# Altium PCB BusAdaptor.PcbDoc
Units mm, origin at the board's own origin, x right, y up, seen from the top; angles counter-clockwise.
Board outline 50.93 x 30 mm, 4 copper layers (Top Layer, GND, POWER, Bottom Layer), stack 0.603 mm thick; 144 components, 103 nets, 555 pads, 10 vias.
Unrouted connection lines stored in the file: 359.
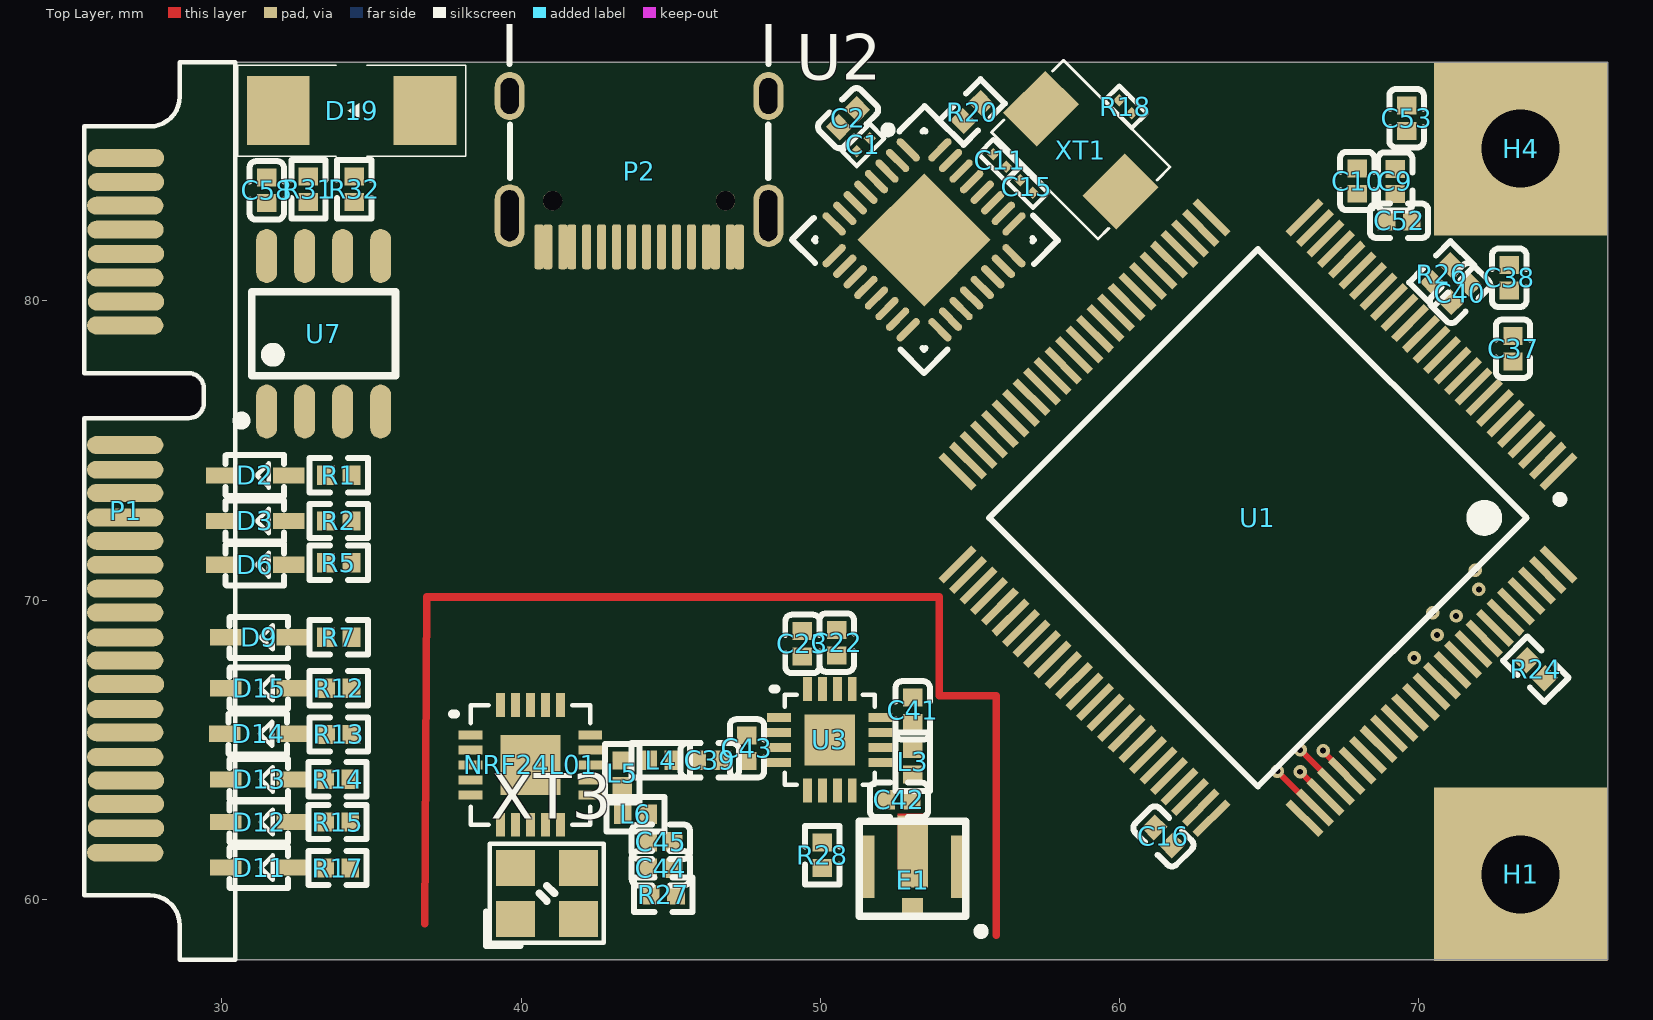
[diagram p0: Top Layer view]
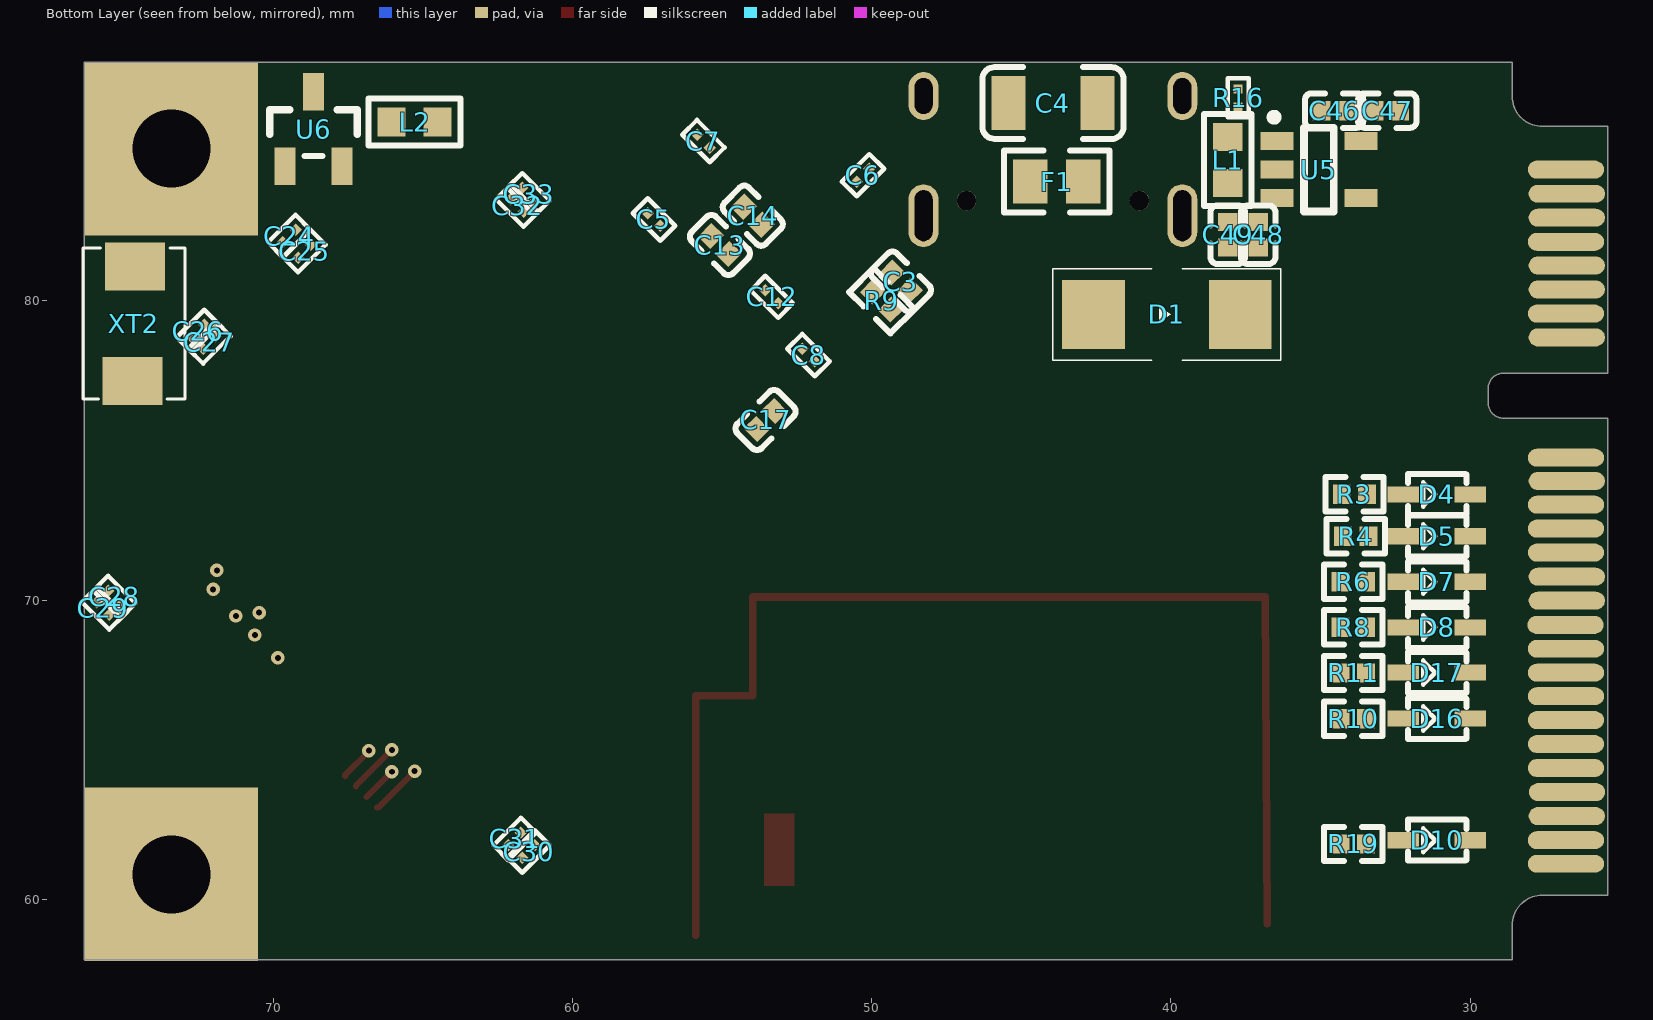
[diagram p1: Bottom Layer view, seen from below]
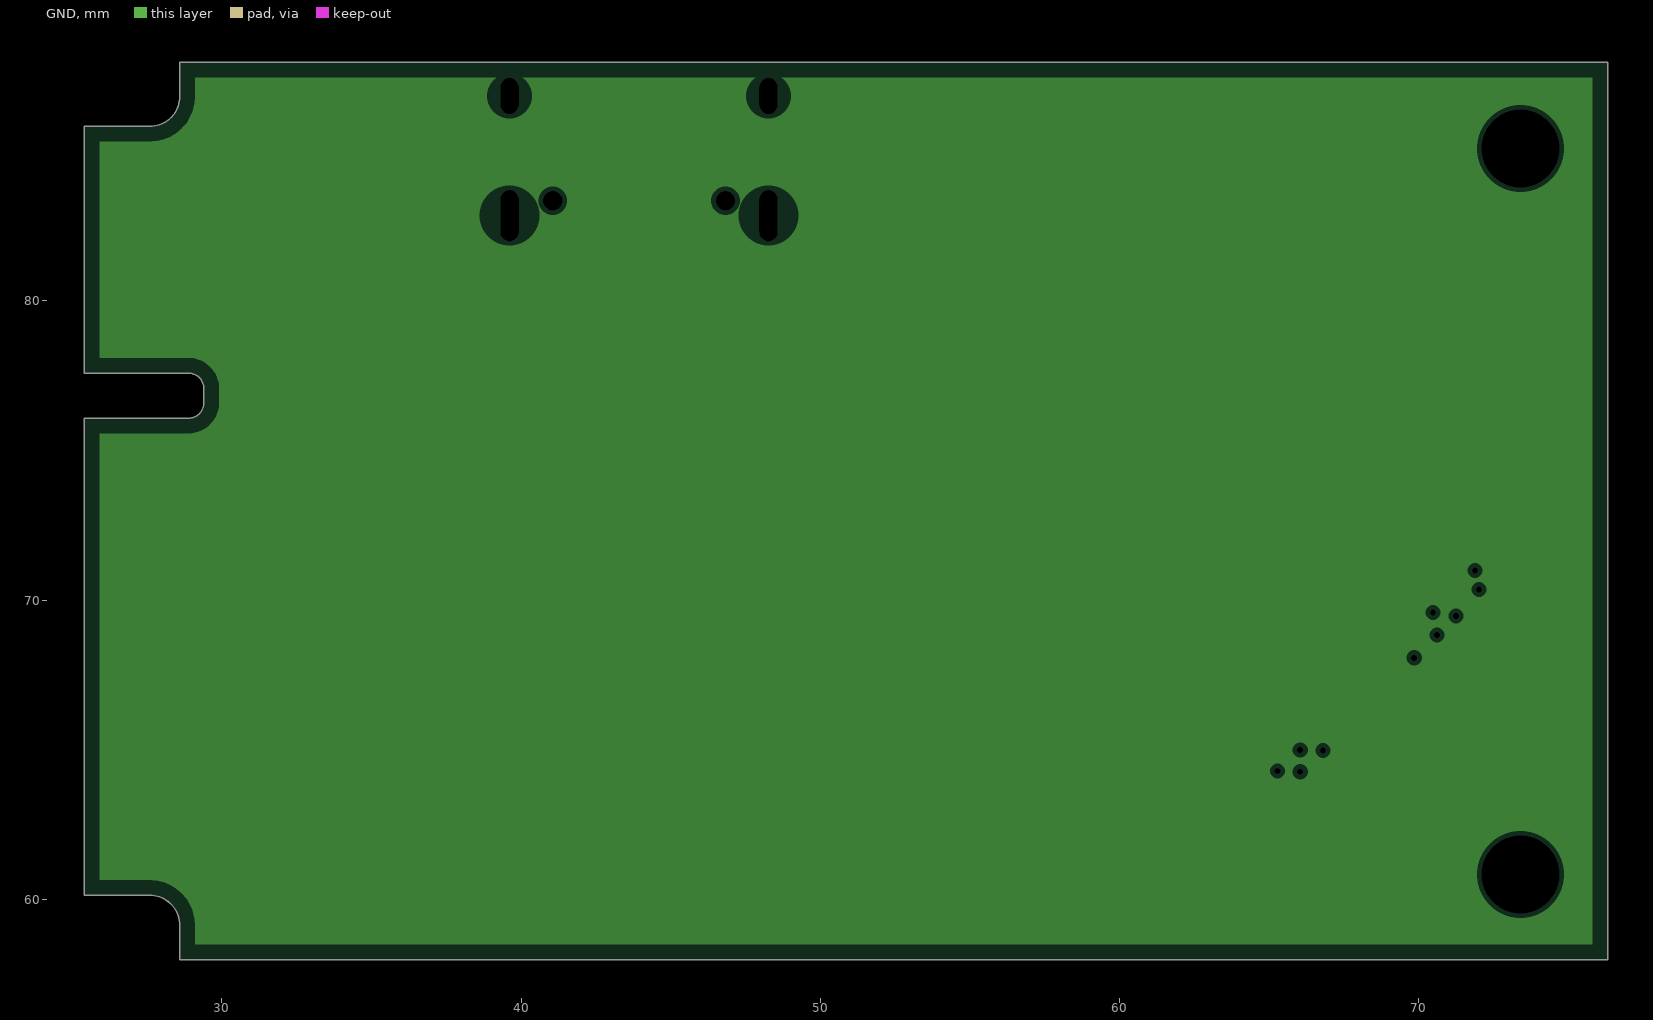
[diagram p2: GND, clearances drawn from the general rule]
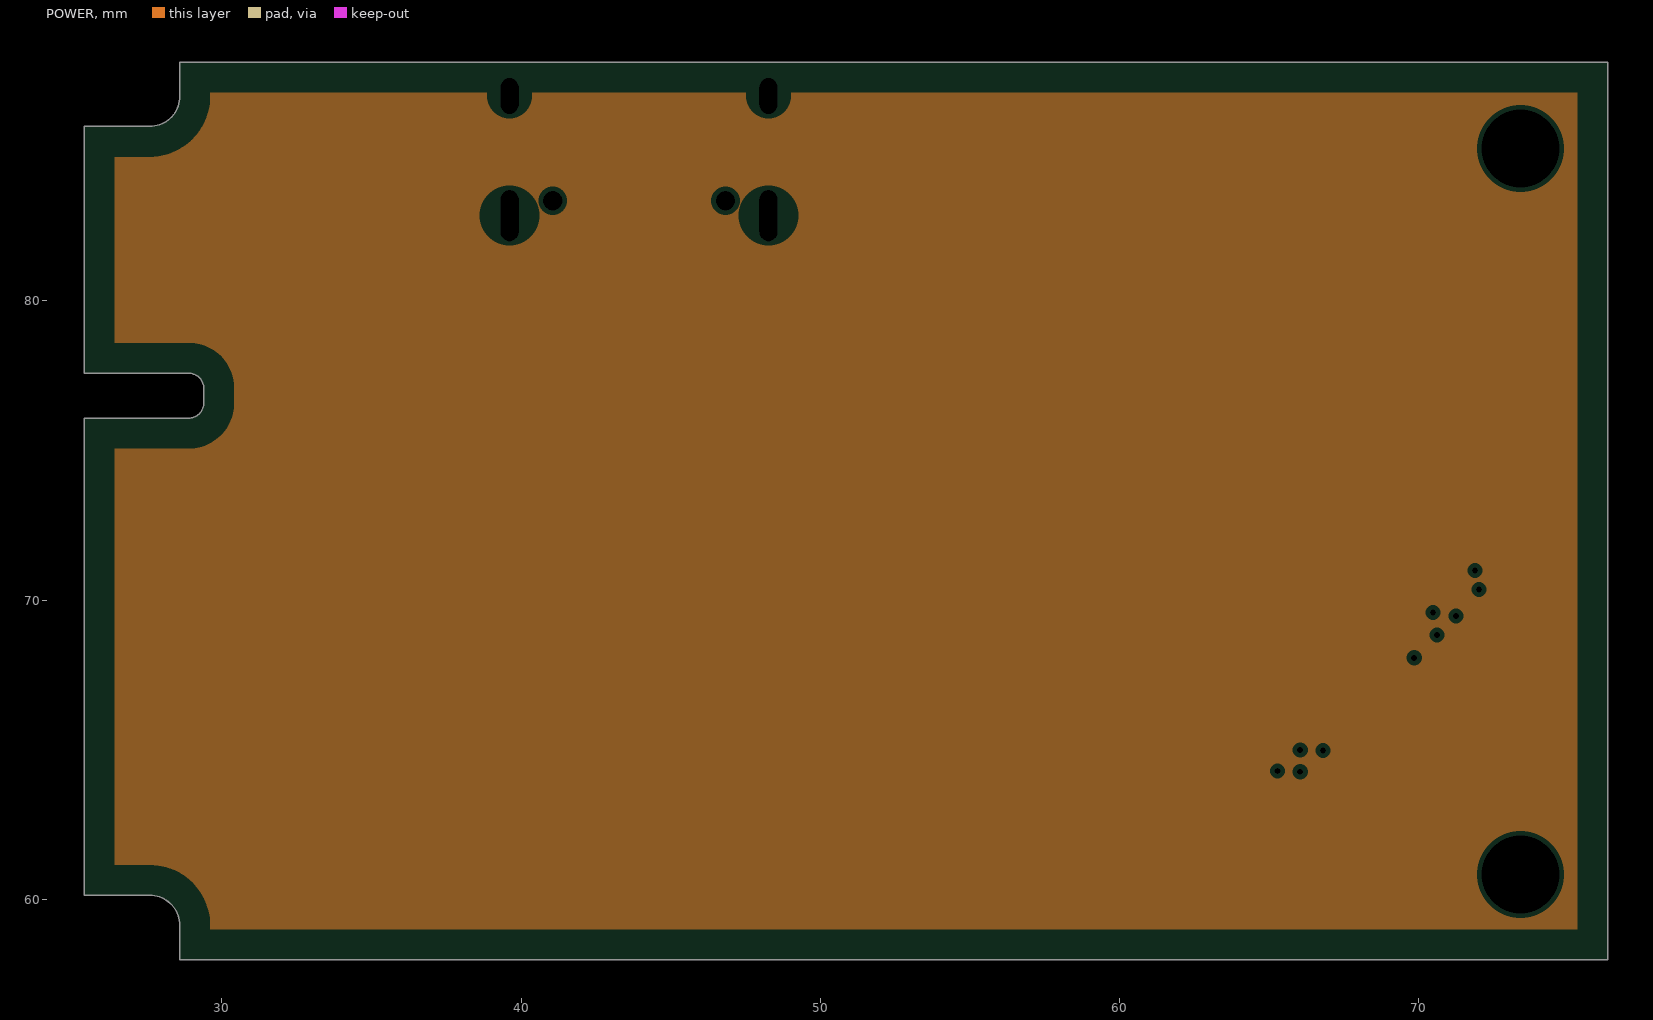
[diagram p3: POWER, clearances drawn from the general rule]

## Layer stack, top to bottom
Top Solder: solder mask 0.0102, Solder Resist, Dk 3.5
Top Layer: signal copper 0.0356
Dielectric 2: prepreg 0.0711, PP-006, Dk 4.1
GND: plane copper 0.035, net GND
Dielectric 1: dielectric 0.32, FR-4, Dk 4.8
POWER: plane copper 0.035, net 3.3V
Dielectric 3: prepreg 0.0711, PP-006, Dk 4.1
Bottom Layer: signal copper 0.0356
Bottom Solder: solder mask 0.0102, Solder Resist, Dk 3.5

## Board outline
25.393,60.133 27.593,60.133 cw(c27.593,59.133) 28.593,59.133 28.593,57.979 76.325,57.979 76.325,87.983 28.593,87.983 28.593,86.833 cw(c27.593,86.833) 27.593,85.833 25.393,85.833 25.393,77.583 28.893,77.583 cw(c28.893,77.083) 29.393,77.083 29.393,76.583 cw(c28.893,76.583) 28.893,76.083 25.393,76.083

## Design rules (kind name [scope] priority, off if disabled: settings)
Clearance [All] p1: gap=0.152 ignorepadtopadclearanceinfootprint=TRUE except(0: Arc-Hole Track-Hole SMDPad-Hole THPad-Hole Via-Hole Fill-Hole Poly-Hole Region-Hole Text-Hole)
ComponentClearance [All] p1: gap=0 collisioncheckmode=3 verticalgap=0 showdistances=FALSE
DiffPairsRouting [All] p1: maxlimit=0.254 minlimit=0.254 mostfreqgap=0.254 toplayer_minwidth=0.381 toplayer_maxwidth=0.381 toplayer_prefwidth=0.381 bottomlayer_minwidth=0.381 bottomlayer_maxwidth=0.381 bottomlayer_prefwidth=0.381 maxuncoupledlength=12.7
HoleSize [All] p1: absolutevalues=TRUE maxlimit=3 minlimit=0.25 maxpercent=80.000 minpercent=20.000
MinimumSolderMaskSliver [All] p1: minsoldermaskwidth=0
PlaneClearance [All] p1: clearance=0.152
PlaneConnect [All] p1: planeconnectstyle=Direct reliefexpansion=0.508 reliefentries=4 reliefconductorwidth=0.254 reliefairgap=0.254
PolygonConnect [All] p1: connectstyle=Direct reliefconductorwidth=0.254 reliefentries=4 polygonreliefangle="90 Angle" airgapwidth=0.254
RoutingVias [All] p1: holewidth=0.2 width=0.45 viastyle="Through Hole" minholewidth=0.2 minwidth=0.45 maxholewidth=0.2 maxwidth=0.45
SilkToSilkClearance [All] p1: silktosilkclearance=0
SilkToSolderMaskClearance [IsPad] p1: minsilkscreentomaskgap=0 clearancetoexposedcopper=TRUE
SolderMaskExpansion [All] p1: expansion=0.102
Width Width_1 [All] p1: maxlimit=0.254 minlimit=0.203 preferedwidth=0.203 minimp=50.000000 maximp=50.000000 favimp=50.000000
Width Width_Power [InNetClass('POWER')] p2: maxlimit=1.27 minlimit=0.508 preferedwidth=0.508
22 further rules are at their usual default settings.

## Classes and differential pairs
net class POWER: 3.3V 3.3VA 3.3VPA 3.3VREF 3.3VRF 5V GND
differential pair USB: +USB_P -USB_N

## Components (designator, comment, footprint, x,y, rotation, side; value= is the part's Value field where it differs from the comment)
Buzzer1 "Buzzer_8530" BUZZER_8530 115.545,70.831 r0 top
C1 "0.1uF" 0201 51.435,85.217 r45 top
C2 "10uF" 0402_C#1 50.927,86.106 r45 top
C3 "10uF" 0402_C#1 49.022,80.645 r225 bottom
C4 "1000pF/2KV" 1206_C 43.942,86.614 r180 bottom
C5 "0.1uF" 0201 57.277,82.724 r225 bottom
C6 "0.1uF" 0201 50.292,84.201 r315 bottom
C7 "0.1uF" 0201 55.626,85.339 r225 bottom
C8 "0.1uF" 0201 52.112,78.189 r45 bottom
C9 "10uF" 0402_C#1 69.215,83.991 r90 top
C10 "10uF" 0402_C#1 67.945,84.007 r90 top
C11 "15pF" 0201 55.998,84.694 r315 top
C12 "0.1uF" 0201 53.34,80.137 r225 bottom
C13 "4.7uF" 0402_C#1 55.071,81.868 r45 bottom
C14 "4.7uF" 0402_C#1 53.975,82.848 r45 bottom
C15 "15pF" 0201 56.896,83.82 r135 top
C16 "2.2uF" 0402_C#1 61.468,62.103 r135 top
C17 "2.2uF" 0402_C#1 53.547,76.02 r315 bottom
C18 "33nF" 0402_C#1 44.192,40.088 r90 top
C19 "22uF" 0603_C 37.054,33.263 r0 top
C20 "2.2uF" 0402_C#1 36.094,35.736 r90 top
C21 "0.1uF" 0402_C#1 34.236,35.736 r90 top
C22 "10nF" 0402_C#1 50.546,68.58 r270 top
C23 "220pF" 0402_C#1 49.403,68.536 r270 top
C24 "1uF" 0201 69.469,82.169 r315 bottom
C25 "0.1uF" 0201 68.961,81.661 r315 bottom
C26 "1uF" 0201 72.517,78.994 r135 bottom
C27 "1uF" 0201 72.136,78.613 r135 bottom
C28 "0.1uF" 0201 75.311,70.104 r45 bottom
C29 "1uF" 0201 75.692,69.723 r45 bottom
C30 "0.1uF" 0201 61.468,61.595 r315 bottom
C31 "1uF" 0201 61.934,62.018 r315 bottom
C32 "0.1uF" 0201 61.849,83.185 r225 bottom
C33 "0.1uF" 0201 61.468,83.566 r225 bottom
C34 "10nF" 0402_C#1 39.81,35.736 r90 top
C35 "1nF" 0402_C#1 49.911,45.72 r90 top
C36 "10uF" 0402_C#1 101.515,35.043 r90 top
C37 "15pF" 0402_C#1 73.152,78.403 r270 top
C38 "15pF" 0402_C#1 73.025,80.772 r270 top
C39 "1.5pF" 0402_C#1 46.304,64.644 r180 top
C40 "10uF" 0402_C#1 71.374,80.264 r225 top
C41 "1.0pF" 0402_C#1 53.086,66.314 r270 top
C42 "1.0pF" 0402_C#1 52.629,63.323 r0 top
C43 "1pF" 0402_C#1 47.549,65.044 r270 top
C44 "2.2nF" 0402_C#1 44.672,61.037 r180 top
C45 "4.7pF" 0402_C#1 44.672,61.926 r180 top
C46 "10uF" 0402_C#1 34.544,86.36 r180 bottom
C47 "0.1uF" 0402_C#1 32.766,86.36 r0 bottom
C48 "0.1uF" 0402_C#1 37.084,82.213 r90 bottom
C49 "10uF" 0402_C#1 38.1,82.213 r90 bottom
C50 "22pF" 0402_C#2 0.675,105.874 r270 top
C51 "22pF" 0402_C#1 5.207,105.791 r90 top
C52 "0.1uF" 0402_C#1 69.342,82.677 r180 top
C53 "10uF" 0402_C#1 69.596,86.106 r270 top
C54 "100nF" 0402_C#1 113.87,112.615 r90 top
C55 "100nF" 0201 115.728,112.615 r90 top
C56 "100nF" 0201 112.012,112.615 r90 top
C57 "47uF" 0805_C 27.462,138.717 r0 top
C58 "47nF" 0402_C#1 31.496,83.693 r90 top
C59 "100nF" 0201 110.154,112.615 r90 top
C60 "100nF" 0201 123.16,112.615 r90 top
C61 "100nF" 0201 125.018,112.615 r90 top
D1 "SMBJ5A" SMB 40.132,79.549 r180 bottom
D2 "BV03CW" SOD323 31.115,74.168 r180 top
D3 "BV03CW" SOD323 31.115,72.644 r180 top
D4 "BV03CW" SOD323 31.115,73.533 r180 bottom
D5 "BV03CW" SOD323 31.115,72.136 r180 bottom
D6 "BV03CW" SOD323 31.115,71.182 r180 top
D7 "BV03CW" SOD323 31.115,70.612 r180 bottom
D8 "BV03CW" SOD323 31.115,69.088 r180 bottom
D9 "BV03CW" SOD323 31.242,68.757 r180 top
D10 "BV03CW" SOD323 31.115,61.975 r180 bottom
D11 "BV03CW" SOD323 31.242,61.059 r180 top
D12 "BV03CW" SOD323 31.242,62.583 r180 top
D13 "BV03CW" SOD323 31.242,64.008 r180 top
D14 "BV03CW" SOD323 31.217,65.532 r180 top
D15 "BV03CW" SOD323 31.242,67.056 r180 top
D16 "BV03CW" SOD323 31.115,66.04 r180 bottom
D17 "BV03CW" SOD323 31.115,67.575 r180 bottom
D18 "SM4001PL" SOD-123FL 98.007,34.993 r0 top
D19 "SMBJ3.3A" SMB 34.334,86.36 r180 top
D20 "LED" 0603_L 20.32,86.995 r90 top
E1 "Antenna" IPEX 53.086,61.087 r180 top
F1 "500mA" 0805_R 43.815,83.989 r0 bottom
H1 "Φ2.6" HOLD 73.406,60.833 r0 top
H2 "T" TESTPOINT 75.235,111.481 r0 top
H3 "T" TESTPOINT 79.553,111.481 r0 top
H4 "Φ2.6" HOLD 73.406,85.09 r0 top
H5 "T" TESTPOINT 59.36,111.481 r0 top
H6 "T" TESTPOINT 63.678,111.481 r0 top
L1 "120R@100M" 0603_L 38.1,84.709 r90 bottom
L2 "1K@100MHz" 0603_L 65.278,85.979 r180 bottom
L3 "3.9nH" 0402_L 53.086,64.6 r270 top
L4 "3.9nH" 0402_L 44.672,64.644 r0 top
L5 "8.2nH" 0402_L 43.383,64.212 r90 top
L6 "2.7nH" 0402_L 43.822,62.839 r180 top
LED1 "RGB-1.6x1.6" RGB-1.6X1.6 110.441,44.263 r90 top
NRF24L01 "NRF24L01" QFN-20_4X4X05P 40.31,64.492 r0 top
P1 "MINI_PCIE" MINIPCIE 26.797,84.775 r270 top
P2 "TYPE_C" TYPE-C-TOP 43.942,84.328 r90 top
R1 "0R" 0402_R 33.909,74.168 r0 top
R2 "0R" 0402_R 33.909,72.644 r0 top
R3 "0R" 0402_R 33.865,73.533 r180 bottom
R4 "0R" 0402_R 33.826,72.136 r180 bottom
R5 "0R" 0402_R 33.909,71.247 r0 top
R6 "0R" 0402_R 33.909,70.612 r180 bottom
R7 "0R" 0402_R 33.909,68.757 r0 top
R8 "0R" 0402_R 33.909,69.088 r180 bottom
R9 "4.7K" 0402_R 49.657,80.01 r225 bottom
R10 "0R" 0402_R 33.909,66.04 r180 bottom
R11 "0R" 0402_R 33.909,67.564 r0 bottom
R12 "0R" 0402_R 33.909,67.056 r0 top
R13 "0R" 0402_R 33.909,65.508 r0 top
R14 "0R" 0402_R 33.865,64.008 r0 top
R15 "0R" 0402_R 33.865,62.583 r0 top
R16 "1M" 0201 37.75,86.788 r90 bottom
R17 "0R" 0402_R 33.865,61.046 r0 top
R18 "1M" 0201 60.198,86.487 r135 top
R19 "0R" 0402_R 33.909,61.849 r0 bottom
R20 "12K 1%" 0402_R 55.071,86.313 r225 top
R21 "22K 1%" 0402_R 50.958,35.736 r90 top
R22 "22K 1%" 0402_R 49.1,35.736 r90 top
R23 "510R" 0402_R 105.231,35.043 r90 top
R24 "10K" 0402_R 73.914,67.691 r135 top
R25 "10K" 0402_R 103.373,35.043 r90 top
R26 "10K" 0402_R 70.777,80.899 r225 top
R27 "1K" 0402_R 44.755,60.148 r180 top
R28 "1K" 0402_R 50.067,61.468 r90 top
R29 "1K" 0402_R 18.542,86.848 r90 top
R30 "0R" 0201 121.302,112.615 r90 top
R31 "60R" 0402_R 32.893,83.737 r90 top
R32 "60R" 0402_R 34.417,83.737 r90 top
T1 "S8050" SOT-23(SOT-23-3) 106.93,43.803 r0 top
U1 "STM32F407VGT6" TQFP-100 64.625,72.75 r225 top locked
U2 "HS USB PHY" QFN50P500X500X100-32N 53.467,82.042 r135 top
U3 "RFX2401C" RFX2401C 50.317,65.33 r0 top
U5 "SPX3819M5-L-3-3" SOT-23-5 35.052,84.389 r0 bottom
U6 "REF3033" SOT-23(SOT-23-3) 68.655,85.745 r270 bottom
U7 "SN65HVD230DR" SOIC-8_150mil 33.401,78.901 r0 top
U8 "MAX3232CSE" SOIC-16_150mil 45.097,104.648 r270 bottom
U9 "LP5907" SOT-23-5 24.511,133.35 r0 top
XT1 "24M" CRYSTAL-SMD-5032 60.029,83.693 r135 top
XT2 "8M" CRYSTAL-SMD-5032 74.676,77.343 r90 bottom
XT3 "16M" "OSC 3225-4P" 40.862,60.198 r0 top

## Footprints (in the part's own frame and the unit in brackets; to place one, negate y for a bottom-side part, rotate by r counter-clockwise, add the part's x,y. Pads: shape width x height; smd on the part's side, far side on the other; paste and mask are expansions set on the pad)
0201 [mm]
  rect 0.3x0.3 smd: 1(-0.3,0) 2(0.3,0)
  silkscreen extent -0.65,-0.35 0.65,0.35, body extent -0.3,-0.15 0.3,0.15, height 0.23
0402_C#1 [mm]
  rect 0.6x0.65 smd mask+0.051: 1(-0.425,0) 2(0.425,0)
  silkscreen extent -0.98,-0.58 0.98,0.58, body extent -0.48,-0.3 0.52,0.3, height 0.2
0402_C#2 [mm]
  rect 0.6x0.65 smd mask+0.051: 1(-0.425,3.81) 2(0.425,0)
  silkscreen extent -0.98,-0.58 0.98,0.58, body extent -0.48,-0.3 0.52,0.3, height 0.2
0402_L [mm]
  rect 0.6x0.65 smd mask+0.051: 1(-0.425,0) 2(0.425,0)
  silkscreen extent -0.98,-0.58 0.97,0.58, body extent -0.51,-0.26 0.54,0.26, height 0.36
0402_R [mm]
  rect 0.6x0.65 smd mask+0.051: 1(-0.425,0) 2(0.425,0)
  silkscreen extent -0.97,-0.58 0.97,0.58, body extent -0.57,-0.27 0.58,0.28, height 0.41
0603_C [mm]
  rect 0.93x0.98 smd: 1(-0.77,0) 2(0.77,0)
  silkscreen extent -1.53,-0.79 1.54,0.79, body extent -0.8,-0.4 0.8,0.4, height 0.3
0603_L [mm]
  rect 0.93x0.98 smd: 1(-0.77,0) 2(0.77,0)
  silkscreen extent -1.53,-0.79 1.54,0.79, body extent -0.82,-0.41 0.83,0.41, height 0.46
0805_C [mm]
  rect 1.16x1.47 smd: 1(-0.89,0) 2(0.89,0)
  silkscreen extent -1.77,-1.04 1.77,1.04, body extent -1,-0.62 1,0.63, height 0.77
0805_R [mm]
  rect 1.16x1.47 smd: 1(-0.89,0) 2(0.89,0)
  silkscreen extent -1.77,-1.04 1.77,1.03, body extent -1,-0.63 1,0.63, height 0.49
1206_C [mm]
  rect 1.13x1.8 smd: 1(-1.49,0) 2(1.49,0)
  silkscreen extent -2.36,-1.2 2.35,1.2, body extent -1.6,-0.81 1.6,0.79, height 1
BUZZER_8530 [mm]
  rect 2x2 smd: 1(3.242,-3.217) 2(3.251,3.26) ""(-3.277,-3.267) ""(-3.242,3.267)
  rect 1x1.6 smd: ""(-3.759,0.009) ""(3.759,0.009)
  silkscreen extent -4.24,-4.23 4.26,4.27, body extent -4.24,-4.23 4.26,4.27, height 0.25
CRYSTAL-SMD-5032 [mm]
  rect 1.6x2 smd: 1(-0.025,0.025) 2(3.81,-0.051)
  silkscreen extent -0.62,-1.73 4.42,1.68, body extent -0.62,-1.63 4.38,1.57, height 1.35
HOLD [mm]
  rect 5.8x5.8 hole 2.6: 11(0,0)
IPEX [mm]
  rect 1.016x2.413 smd: 1(0,-0.508)
  rect 0.5x2.1 smd: 2(-1.524,0) 2(1.524,0)
  rect 0.7x0.7 smd: 2(0,1.397)
  Top Layer region: -0.508,-1.778 0.508,-1.778 0.508,0.635 -0.508,0.635
  silkscreen extent -2.41,-1.52 1.78,2.29
MINIPCIE [mm]
  oval 0.6x2.55 smd: 1(0,0) 3(0.8,0) 5(1.593,-0.029) 7(2.395,-0.021) 9(3.2,0) 11(3.993,-0.029) 13(4.8,0) 15(5.593,-0.029) 17(9.593,-0.029) 19(10.418,-0.029) 21(11.193,-0.029) 23(12.018,-0.029) 25(12.793,-0.029) 27(13.593,-0.029) 29(14.393,-0.029) 31(15.193,-0.029) 33(16.018,-0.029) 35(16.793,-0.029) 37(17.586,0) 39(18.418,-0.029) 41(19.193,-0.029) 43(20.018,-0.029) 45(20.8,0) 47(21.586,0) 49(22.4,0) 51(23.218,-0.029)
  oval 0.6x2.55 smd far side: 2(0.386,0) 4(1.193,-0.029) 6(1.993,-0.029) 8(2.8,0) 10(3.593,-0.029) 12(4.393,-0.029) 14(5.2,0) 16(5.993,-0.029) 18(10.015,0) 20(10.793,-0.029) 22(11.586,0) 24(12.386,0) 26(13.186,0) 28(13.993,-0.029) 30(14.793,-0.029) 32(15.603,0.013) 34(16.4,0) 36(17.2,0) 38(17.986,0) 40(18.786,0) 42(19.586,0) 44(20.386,0) 46(21.191,-0.038) 48(21.993,-0.029) 50(22.8,0) 52(23.586,0)
  silkscreen extent -3.21,-1.4 26.8,3.65
"OSC 3225-4P" [mm] "3.2*2.5*0.7mm(长宽高)                         淘宝ID:黄晶宝石"
  rect 1.3x1.2 smd: 1(-1.05,-0.85) 2(1.05,-0.85) 3(1.05,0.85) 4(-1.05,0.85)
  silkscreen extent -2.03,-1.75 1.91,1.65, body extent -1.6,-1.25 1.6,1.25, height 0.7
QFN50P500X500X100-32N [mm]
  rect 3.15x3.15 smd: 0(0,0)
  oval 1x0.25 smd: 1(2.5,-1.75) 2(2.5,-1.25) 3(2.5,-0.75) 4(2.5,-0.25) 5(2.5,0.25) 6(2.5,0.75) 7(2.5,1.25) 8(2.5,1.75) 17(-2.5,1.75) 18(-2.5,1.25) 19(-2.5,0.75) 20(-2.5,0.25) 21(-2.5,-0.25) 22(-2.5,-0.75) 23(-2.5,-1.25) 24(-2.5,-1.75)
  oval 0.25x1 smd: 9(1.75,2.5) 10(1.25,2.5) 11(0.75,2.5) 12(0.25,2.5) 13(-0.25,2.5) 14(-0.75,2.5) 15(-1.25,2.5) 16(-1.75,2.5) 25(-1.75,-2.5) 26(-1.25,-2.5) 27(-0.75,-2.5) 28(-0.25,-2.5) 29(0.25,-2.5) 30(0.75,-2.5) 31(1.25,-2.5) 32(1.75,-2.5)
  silkscreen extent -3.18,-3.18 3.57,3.15, body extent -2.5,-2.51 2.52,2.51, height 0.8
QFN-20_4X4X05P [mm]
  rect 2x2 smd: 0(0,0)
  rect 0.8x0.3 smd: 1(-2,1) 2(-2,0.5) 3(-2,0) 4(-2,-0.5) 5(-2,-1) 11(2,-1) 12(2,-0.5) 13(2,0) 14(2,0.5) 15(2,1)
  rect 0.3x0.8 smd: 6(-1,-2) 7(-0.5,-2) 8(0,-2) 9(0.5,-2) 10(1,-2) 16(1,2) 17(0.5,2) 18(0,2) 19(-0.5,2) 20(-1,2)
  silkscreen extent -2.6,-2 2,2
RFX2401C [mm]
  rect 1.7x1.7 smd: 0(0,0)
  rect 0.8x0.3 smd: 1(-1.7,0.75) 2(-1.7,0.25) 3(-1.7,-0.25) 4(-1.7,-0.75) 9(1.7,-0.75) 10(1.7,-0.25) 11(1.7,0.25) 12(1.7,0.75)
  rect 0.3x0.8 smd: 5(-0.75,-1.7) 6(-0.25,-1.7) 7(0.25,-1.7) 8(0.75,-1.7) 13(0.75,1.7) 14(0.25,1.7) 15(-0.25,1.7) 16(-0.75,1.7)
  silkscreen extent -1.9,-1.5 1.5,1.7
RGB-1.6X1.6 [mm]
  rect 0.55x0.4 smd: 1(0.6,0.725) 2(-0.6,0.725) 5(0.6,-0.725) 6(-0.6,-0.725)
  rect 0.7x0.5 smd: 3(0.675,0) 4(-0.675,0)
  Top Layer region: -0.127,0.762 -0.127,0.889
  silkscreen extent 0,-0.13 0.13,0.13
SMB [mm]
  rect 2.1x2.3 smd: 1(-2.45,0) 2(2.45,0)
  Top Layer region: -0.254,-0.254 -0.127,-0.254 -0.254,-0.254
  Top Layer pour cut-out: 1.524,2.159
  silkscreen extent -3.81,-1.52 3.81,1.52, body extent -2.8,-2 2.8,2, height 0.25
SOD323 [mm]
  rect 1.06x0.54 smd: 1(-1.118,0) 2(1.118,0)
  silkscreen extent -0.97,-0.69 0.99,0.69, body extent -1.35,-0.62 1.35,0.64, height 1.1
SOD-123FL [mm] "SODFL, 2-Leads, Body 1.80x3.70mm, IPC Medium Density"
  rect 1.25x1.2 smd: 1(-1.525,0) 2(1.525,0)
  silkscreen extent -2.1,-0.41 -0.18,0.95, body extent -1.45,-0.95 1.45,0.95, height 1.1
SOIC-8_150mil [mm]
  oval 0.7x1.8 smd: 1(-1.905,-2.6) 2(-0.635,-2.6) 3(0.635,-2.6) 4(1.905,-2.6) 5(1.905,2.6) 6(0.635,2.6) 7(-0.635,2.6) 8(-1.905,2.6)
  silkscreen extent -2.9,-3.05 2.4,1.4
SOIC-16_150mil [mm]
  oval 0.6x1.8 smd: 1(-4.445,-2.6) 2(-3.175,-2.6) 3(-1.905,-2.6) 4(-0.635,-2.6) 5(0.635,-2.6) 6(1.905,-2.6) 7(3.175,-2.6) 8(4.445,-2.6) 9(4.445,2.6) 10(3.175,2.6) 11(1.905,2.6) 12(0.635,2.6) 13(-0.635,2.6) 14(-1.905,2.6) 15(-3.175,2.6) 16(-4.445,2.6)
  silkscreen extent -5.4,-3.05 4.97,1.4
SOT-23(SOT-23-3) [mm]
  rect 1.25x0.7 smd: 1(1.25,-0.95) 2(1.25,0.95) 3(-1.25,0)
  silkscreen extent -0.65,-1.46 0.9,1.46, body extent -1.5,-1.5 1.5,1.5, height 1.3
SOT-23-5 [mm]
  rect 1.1x0.6 smd: 1(1.4,-0.95) 2(1.4,0) 3(1.4,0.95) 4(-1.4,0.95) 5(-1.4,-0.95)
  silkscreen extent -0.5,-1.87 1.63,1.4
TESTPOINT [mm]
  round 1.5 smd: 1(0,0)
TQFP-100 [mm]
  rect 1.55x0.254 smd: 1(-8.2,6) 2(-8.2,5.5) 3(-8.2,5) 4(-8.2,4.5) 5(-8.2,4) 6(-8.2,3.5) 7(-8.2,3) 8(-8.2,2.5) 9(-8.2,2) 10(-8.2,1.5) 11(-8.2,1) 12(-8.2,0.5) 13(-8.2,0) 14(-8.2,-0.5) 15(-8.2,-1) 16(-8.2,-1.5) 17(-8.2,-2) 18(-8.2,-2.5) 19(-8.2,-3) 20(-8.2,-3.5) 21(-8.2,-4) 22(-8.2,-4.5) 23(-8.2,-5) 24(-8.2,-5.5) 25(-8.2,-6) 51(8.2,-6) 52(8.2,-5.5) 53(8.2,-5) 54(8.2,-4.5) 55(8.2,-4) 56(8.2,-3.5) 57(8.2,-3) 58(8.2,-2.5) 59(8.2,-2) 60(8.2,-1.5) 61(8.2,-1) 62(8.2,-0.5) 63(8.2,0) 64(8.2,0.5) 65(8.2,1) 66(8.2,1.5) 67(8.2,2) 68(8.2,2.5) 69(8.2,3) 70(8.2,3.5) 71(8.2,4) 72(8.2,4.5) 73(8.2,5) 74(8.2,5.5) 75(8.2,6)
  rect 0.254x1.55 smd: 26(-6,-8.2) 27(-5.5,-8.2) 28(-5,-8.2) 29(-4.5,-8.2) 30(-4,-8.2) 31(-3.5,-8.2) 32(-3,-8.2) 33(-2.5,-8.2) 34(-2,-8.2) 35(-1.5,-8.2) 36(-1,-8.2) 37(-0.5,-8.2) 38(0,-8.2) 39(0.5,-8.2) 40(1,-8.2) 41(1.5,-8.2) 42(2,-8.2) 43(2.5,-8.2) 44(3,-8.2) 45(3.5,-8.2) 46(4,-8.2) 47(4.5,-8.2) 48(5,-8.2) 49(5.5,-8.2) 50(6,-8.2) 76(6,8.2) 77(5.5,8.2) 78(5,8.2) 79(4.5,8.2) 80(4,8.2) 81(3.5,8.2) 82(3,8.2) 83(2.5,8.2) 84(2,8.2) 85(1.5,8.2) 86(1,8.2) 87(0.5,8.2) 88(0,8.2) 89(-0.5,8.2) 90(-1,8.2) 91(-1.5,8.2) 92(-2,8.2) 93(-2.5,8.2) 94(-3,8.2) 95(-3.5,8.2) 96(-4,8.2) 97(-4.5,8.2) 98(-5,8.2) 99(-5.5,8.2) 100(-6,8.2)
  silkscreen extent -7.7,-6.35 6.35,6.82, body extent -7.92,-7.98 8.08,8.02, height 1.6
TYPE-C-TOP [mm]
  oval 1.6x1 hole 0.6 slot 1.2 at 0 deg: 1(2.52,4.325) 2(2.52,-4.325)
  oval 2.1x1 hole 0.6 slot 1.7 at 0 deg: 3(-1.48,-4.325) 4(-1.48,4.325)
  rrect50% 1.5x0.3 smd: A1(-2.52,-3.35) A4(-2.52,-2.55) A5(-2.52,-1.25) A6(-2.52,-0.25) A7(-2.52,0.25) A8(-2.52,1.25) A9(-2.52,2.55) A12(-2.52,3.35) B1(-2.52,3.05) B4(-2.52,2.25) B5(-2.52,1.75) B6(-2.52,0.75) B7(-2.52,-0.75) B8(-2.52,-1.75) B9(-2.52,-2.25) B12(-2.52,-3.05)
  round 0.65 hole 0.65: ""(-0.98,2.89) ""(-0.98,-2.89)
  silkscreen extent -0.22,-4.33 5.12,4.33, body extent -2.64,-4.48 5.26,4.46, height 3.28

## Part data
Buzzer1: "无源蜂鸣器"
C1 C2 C3 C4 C5 C6 C7 C8 C9 C10 C11 C12 C13 C14 C15 C16 C17 C18 C19 C20 C21 C22 C23 C24 C25 C26 C27 C28 C29 C30 C31 C32 C33 C34 C35 C36 C37 C38 C39 C40 C41 C42 C43 C44 C45 C46 C47 C48 C49 C50 C51 C52 C53 C54 C55 C56 C57 C58 C59 C60 C61: library part C
D1 D19: library part TVS, "BV03CW"
D2 D3 D4 D5 D6 D7 D8 D9 D10 D11 D12 D13 D14 D15 D16 D17: library part TVS
D18: library part Diode, "二极管", Package=SMA(DO-214AC), SuppliersPartNumber=C95872, ComponentLink1Description=供应商, ComponentLink1URL=http://www.szlcsc.com/product/details_2841.html, Supplier=LC, 备注="1N4007 4007 编号C2464 已经停售, 使用新"
E1: "Generic Antenna", LatestRevisionDate=17-Jul-2002, LatestRevisionNote="Re-released for DXP Platform.", PackageReference=PIN1, Published=24-Mar-1999, Publisher="Altium Limited"
F1: library part FUSE, "FUSE"
H1 H4: library part MECHANICAL
H2 H3 H5 H6: library part TEST_POINT
L1 L2 L3 L4 L5 L6: library part L
LED1: library part "LED-RGB 3528", "3528三基色LED"
P2: library part USB_C
R1 R2 R3 R4 R5 R6 R7 R8 R9 R10 R11 R12 R13 R14 R15 R16 R17 R18 R19 R20 R21 R22 R23 R24 R25 R26 R27 R28 R29 R30 R31 R32: library part R, "resistor"
T1: library part Triode, "NPN"
U1: "ARM Cortex-M4 32b MCU+FPU, 1024 kB Flash, 192+4 kB RAM,82 I/Os, 100-pin LQFP", Operating Frequency (Processor Speed)=168MHz, 16-bit Timers (IC/OC/PWM)=12x16-bit(24/24/30), 32-bit Timer (IC/OC/PWM)="2x32-bit (8/8/8)", A/D Converter=16x12-bit, ComponentLink1Description="Manufacturer URL", ComponentLink1URL=http://www.st.com/, ComponentLink2Description="STM32F405/7 Datasheet", ComponentLink2URL=http://www.st.com/internet/com/TECHNICAL_RESOURCES/TECHNICAL_LITERATURE/DATASHEET/DM00037051.pdf, ComponentLink3Description="STM32F4 Web Page", ComponentLink3URL=http://www.st.com/internet/mcu/subclass/1521.jsp, D/A Converter=2x12-bit, DatasheetVersion="rev2, Jan-2012", Internal RAM=192kB, Other Timer Functions="2xWDG, RTC, 24-bit down counter", PackageDescription="100-Pin Low Profile Quad Flat Package, 14x14 mm Body, 0.5 mm Pitch", PackageReference=LQFP100, PackageVersion=2012, Serial Interface="3xSPI/2xI2S/2xI2C/3xUSART(IrDa, ISO7816)/3xUART/2xUSB OTG FS/HS, 2xCAN/Ethernet MAC10/100, SDIO"
U2: library part USB3300, "高速USB外置PHY"
U5: library part ME6211
U6: "REF3033电压参考源"
U8: library part RS3232
XT1 XT2: library part XTAL, "晶振"
XT3: library part XTAL-4P, "4脚无源晶振"

## Via types
v1: diameter 0.45, hole 0.2, Top Layer to Bottom Layer, tented both sides, 10 vias

## Nets (pads, with @x,y where several pads share a name; then routed paths per layer and width w, separated by ;. In a path a pad name is that pad's centre, name@x,y a point inside that pad or via, vN(x,y) a via of type N, cw(c..) or ccw(c..) an arc to the next point about the centre after c; other vN are vias at no path point)
3.3V: Buzzer1.1 C3.2 C5.2 C6.2 C7.2 C8.2 C24.2 C25.2 C26.2 C27.2 C28.2 C29.2 C30.2 C31.2 C32.2 C33.2 C36.2 C46.2 C47.2 C54.1 D18.2 D19.2 H2.1 L2.2 LED1.2 LED1.4 LED1.6 P1.3 P1.4 P1.51 R26.1 R30.2 U1.6 U1.11 U1.19 U1.28 U1.50 U1.75 U1.100 U2.6 U2.16 U2.25 U2.30 U2.31 U5.5 U7.3
3.3VA: C9.1 C10.1 L2.1 U1.22
3.3VPA: C19.2 C20.2 C21.2 C22.2 C23.2 R22.1 U3.14 U3.16
3.3VREF: C52.2 U1.21 U6.2
3.3VRF: C34.2 C35.2 C57.2 NRF24L01.7 NRF24L01.15 NRF24L01.18 R22.2 U9.5
5V: C1.1 C2.1 C48.2 C49.2 C53.2 D1.2 D20.2 L1.1 P1.1 P1.2 U2.4 U5.1 U5.3 U6.1 U9.1 U9.3
232RX: P1.13 U8.13
232TX: P1.15 U8.14
GND: C1.2 C2.2 C4.1 C5.1 C6.1 C7.1 C8.1 C9.2 C10.2 C11.1 C12.1 C13.1 C14.1 C15.1 C16.1 C17.1 C18.2 C19.1 C20.1 C21.1 C22.1 C23.1 C24.1 C25.1 C26.1 C27.1 C28.1 C29.1 C30.1 C31.1 C32.1 C33.1 C34.1 C35.1 C36.1 C37.1 C38.1 C40.1 C41.1 C42.1 C43.1 C44.1 C45.1 C46.1 C47.1 C48.1 C49.1 C50.1 C51.1 C52.1 C53.1 C54.2 C55.2 C56.2 C57.1 C58.1 C59.2 D1.1 D2.1 D3.1 D4.1 D5.1 D6.1 D7.1 D8.1 D9.1 D10.1 D11.1 D12.1 D13.1 D14.1 D15.1 D16.1 D17.1 D19.1 E1.2 H5.1 NRF24L01.0 P1.5 P1.6 P1.17 P2.A1 P2.A12 P2.B1 P2.B12 R9.2 R16.1 R20.1 R21.2 R24.1 R25.2 R29.1 T1.2 U1.10 U1.20 U1.27 U1.74 U1.99 U2.0 U2.1 U2.2 U3.0 U3.1 U3.2 U3.3 U3.7 U3.8 U3.9 U3.11 U3.12 U3.15 U5.2 U6.3 U7.2 U7.8 U8.15 U9.2
LED_B: LED1.5 U1.55
LED_G: LED1.3 U1.53
LED_R: LED1.1 U1.54
NetBuzzer1_2: Buzzer1.2 D18.1 T1.3
NetC3_1: C3.1 R9.1 U2.9
NetC4_2: C4.2 P2.1 P2.2 P2.3 P2.4 R16.2
NetC11_2: C11.2 R18.2 U2.28 XT1.2
NetC12_2: C12.2 U2.15
NetC13_2: C13.2 U2.26
NetC14_2: C14.2 U2.29
NetC15_2: C15.2 R18.1 U2.27 XT1.1
NetC16_2: C16.2 U1.73
NetC17_2: C17.2 U1.49
NetC18_1: C18.1 NRF24L01.19
NetC37_2: C37.2 U1.13 XT2.1
NetC38_2: C38.2 U1.12 XT2.2
NetC39_1: C39.1 C43.2 U3.4
NetC39_2: C39.2 L4.2
NetC41_2: C41.2 L3.1 U3.10
NetC42_2: C42.2 E1.1 L3.2
NetC44_2: C44.2 C45.2 L6.2 NRF24L01.11 R27.2
NetC50_2: C50.2 NRF24L01.9 XT3.1
NetC51_2: C51.2 NRF24L01.10 XT3.3
NetC55_1: C55.1 R30.1 U8.16
NetC56_1: C56.1 U8.2
NetC58_2: C58.2 R31.1 R32.1
NetC59_1: C59.1 U8.6
NetC60_1: C60.1 U8.3
NetC60_2: C60.2 U8.1
NetC61_1: C61.1 U8.5
NetC61_2: C61.2 U8.4
NetD20_1: D20.1 R29.2
NetF1_1: F1.1 L1.2
NetF1_2: F1.2 P2.A4 P2.A9 P2.B4 P2.B9
NetL4_1: L4.1 L5.2 NRF24L01.13
NetL5_1: L5.1 L6.1 NRF24L01.12
NetNRF24L01_8: NRF24L01.8 NRF24L01.14 NRF24L01.17 NRF24L01.20
NetNRF24L01_16: NRF24L01.16 R21.1
NetR20_2: R20.2 U2.32
NetR23_2: R23.2 R25.1 T1.1
NetR24_2: R24.2 U1.94
NetR27_1: R27.1 U3.5
NetR28_2: R28.2 U3.6
NetR31_2: R31.2 U7.7
NetR32_2: R32.2 U7.6
NRST: C40.2 P1.11 R26.2 U1.14
P0: D2.2 P1.19 R1.1
P1: D3.2 P1.21 R2.1
P2: D4.2 P1.24 R3.1 U7.4
P3: D5.2 P1.26 R4.1 U7.1
P4: D6.2 P1.27 R5.1
P5: D7.2 P1.30 R6.1 U8.11
P6: D8.2 P1.32 R8.1 U8.12
P7: D9.2 P1.33 R7.1
P8: D17.2 P1.36 R11.1
P9: D16.2 P1.38 R10.1
P10: D15.2 P1.39 R12.1
P11: D14.2 P1.41 R13.1
P12: D13.2 P1.43 R14.1
P13: D12.2 P1.45 R15.1
P14: D11.2 P1.47 R17.1 R28.1
P15: D10.2 P1.50 R19.1 R23.1
PA0: R11.2 U1.23
PA1: R10.2 U1.24
PA4: NRF24L01.2 R15.2 U1.29
PA6: NRF24L01.5 R13.2 U1.31
PA7: NRF24L01.4 R12.2 U1.32
PA8: NRF24L01.1 R17.2 U1.67
PA15: R5.2 U1.77 | length 1.8
  Top Layer w0.203: v1(65.278,64.282) 66.498,63.062 U1.77
PB3: NRF24L01.3 R14.2 U1.89
  other v1: 69.85,68.072
PB6: R1.2 U1.92
  other v1: 70.476,69.582
PB7: R2.2 U1.93
  other v1: 71.247,69.469
PB8: R3.2 U1.95
  other v1: 72.009,70.358
PB9: R4.2 U1.96
  other v1: 71.882,70.993
PC9: R19.2 U1.66
PC10: R6.2 U1.78 | length 1.2
  Top Layer w0.203: v1(66.04,64.263) U1.78
PC11: R8.2 U1.79 | length 1.7
  Top Layer w0.203: v1(66.04,64.992) 67.241,63.791 U1.79
PC12: NRF24L01.6 R7.2 U1.80 | length 1.2
  Top Layer w0.203: v1(66.802,64.972) 66.802,64.952 67.595,64.159 U1.80
SWCLK: H6.1 P1.9 U1.76
SWDIO: H3.1 P1.7 U1.72
USB_CLK: U1.30 U2.14
USB_DATA0: U1.26 U2.24
USB_DATA1: U1.35 U2.23
USB_DATA2: U1.36 U2.22
USB_DATA3: U1.47 U2.21
USB_DATA4: U1.48 U2.20
USB_DATA5: U1.51 U2.19
USB_DATA6: U1.52 U2.18
USB_DATA7: U1.91 U2.17
  other v1: 70.612,68.834
USB_DIR: U1.17 U2.12
USB_N: P2.A7 P2.B7 U2.8
USB_NXT: U1.18 U2.11
USB_P: P2.A6 P2.B6 U2.7
USB_STP: U1.15 U2.13
pads on no net: Buzzer1. H1.11 H4.11 P1.8 P1.10 P1.12 P1.14 P1.16 P1.18 P1.20 P1.22 P1.23 P1.25 P1.28 P1.29 P1.31 P1.34 P1.35 P1.37 P1.40 P1.42 P1.44 P1.46 P1.48 P1.49 P1.52 P2. P2.A5 P2.A8 P2.B5 P2.B8 U1.1 U1.2 U1.3 U1.4 U1.5 U1.7 U1.8 U1.9 U1.16 U1.25 U1.33 U1.34 U1.37 U1.38 U1.39 U1.40 U1.41 U1.42 U1.43 U1.44 U1.45 U1.46 U1.56 U1.57 U1.58 U1.59 U1.60 U1.61 U1.62 U1.63 U1.64 U1.65 U1.68 U1.69 U1.70 U1.71 U1.81 U1.82 U1.83 U1.84 U1.85 U1.86 U1.87 U1.88 U1.90 U1.97 U1.98 U2.3 U2.5 U2.10 U3.13 U5.4 U7.5 U8.7 U8.8 U8.9 U8.10 U9.4 XT3.2 XT3.4
copper on no net: | length 936.4
  Top Layer w0.254: 0,151.155 0,120.066 43.155,120.066 ccw(c43.155,121.336) 44.425,121.336 44.425,123.342 46.152,123.342 ccw(c46.152,124.612) 47.422,124.612 47.422,154.737 0.584,154.737 ccw(c0.584,154.153) 0,154.153 ; 19.431,52.121 19.431,52.959 cw(c20.701,52.959) 20.701,54.229 67.589,54.229 67.589,25.883 ccw(c68.859,25.883) 68.859,24.613 69.977,24.613 69.977,24.384 cw(c68.707,24.384) 68.707,23.114 18.542,23.114 18.542,49.733 cw(c19.736,49.733) 19.736,50.927 ; 36.784,59.182 36.84,70.104 53.975,70.104 53.975,66.802 55.88,66.802 55.88,58.801 ; 84.099,57.683 84.607,57.683 cw(c84.607,56.413) 85.877,56.413 85.877,19.406 130.658,19.406 ccw(c130.658,20.676) 131.928,20.676 131.928,38.862 ccw(c131.928,39.776) 132.842,39.776 132.842,56.49 87.452,56.49 cw(c87.452,57.76) 86.182,57.76 86.182,57.988 ; 88.087,120.65 88.087,125.959 cw(c89.357,125.959) 89.357,127.229 133.858,127.229 133.858,108.483 ccw(c135.128,108.483) 135.128,107.213 139.827,107.213 139.827,98.908 cw(c138.557,98.908) 138.557,97.638 86.589,97.638 86.589,119.99 cw(c87.859,119.99) 87.859,121.26 91.389,121.26 ; 90.195,216.662 90.195,223.749 cw(c91.465,223.749) 91.465,225.019 153.873,225.019 153.873,191.821 cw(c152.679,191.821) 152.679,190.627 152.679,171.856 cw(c151.409,171.856) 151.409,170.586 91.694,170.586 91.694,217.221 ccw(c90.475,217.221) 90.475,218.44

## Polygon pours and split planes (outlines as drawn)
GND on GND (split plane): 75.814,58.489 29.103,58.489 29.103,59.133 29.103,59.135 29.094,59.302 29.065,59.469 29.018,59.632 28.953,59.788 28.872,59.936 28.774,60.075 28.661,60.201 28.534,60.314 28.396,60.412 28.248,60.494 28.091,60.559 27.929,60.605 27.762,60.634 27.595,60.643 27.593,60.643 25.903,60.643 25.903,75.572 28.893,75.572 28.902,75.573 29.024,75.581 29.154,75.607 29.279,75.65 29.398,75.708 29.508,75.781 29.607,75.869 29.694,75.968 29.767,76.078 29.826,76.196 29.868,76.321 29.894,76.451 29.902,76.574 29.903,76.583 29.903,77.083 29.902,77.092 29.894,77.215 29.868,77.344 29.826,77.469 29.767,77.588 29.694,77.698 29.607,77.797 29.508,77.884 29.398,77.958 29.279,78.016 29.154,78.059 29.024,78.084 28.902,78.092 28.893,78.093 25.903,78.093 25.903,85.322 27.593,85.322 27.595,85.323 27.762,85.332 27.929,85.36 28.091,85.407 28.248,85.472 28.396,85.554 28.534,85.652 28.661,85.765 28.774,85.891 28.872,86.029 28.953,86.178 29.018,86.334 29.065,86.497 29.094,86.664 29.103,86.831 29.103,86.833 29.103,87.472 75.814,87.472
3.3V on POWER (split plane): 75.306,58.997 29.611,58.997 29.611,59.133 29.601,59.331 29.572,59.527 29.524,59.719 29.457,59.905 29.373,60.084 29.271,60.254 29.153,60.413 29.02,60.56 28.873,60.693 28.714,60.811 28.544,60.913 28.365,60.998 28.179,61.064 27.986,61.113 27.79,61.142 27.593,61.151 26.411,61.151 26.411,75.065 28.893,75.065 29.063,75.074 29.231,75.103 29.394,75.15 29.551,75.215 29.7,75.297 29.839,75.396 29.966,75.509 30.08,75.636 30.178,75.775 30.261,75.924 30.326,76.081 30.373,76.245 30.401,76.413 30.411,76.583 30.411,77.083 30.401,77.253 30.373,77.421 30.326,77.584 30.261,77.742 30.178,77.891 30.08,78.03 29.966,78.157 29.839,78.27 29.7,78.369 29.551,78.451 29.394,78.516 29.231,78.563 29.063,78.592 28.893,78.601 26.411,78.601 26.411,84.815 27.593,84.815 27.593,84.814 27.79,84.824 27.986,84.853 28.179,84.901 28.365,84.968 28.544,85.053 28.714,85.155 28.873,85.273 29.02,85.406 29.153,85.552 29.271,85.712 29.373,85.881 29.457,86.06 29.524,86.247 29.572,86.439 29.601,86.635 29.611,86.833 29.611,86.965 75.306,86.965

## Silkscreen, mask and mechanical layers (free items; w line width, h text height)
Mechanical 13:
  lines w0.254: 28.893,77.583 cw(c28.893,77.083) 29.393,77.083 29.393,76.583 ; 28.893,77.583 ccw(c28.893,77.583) 28.893,77.583 ; 28.893,77.583 25.393,77.583 25.393,85.833 27.593,85.833 ccw(c27.593,86.833) 28.593,86.833 28.593,87.983 76.325,87.983 76.325,57.979 28.593,57.979 28.593,59.133 ccw(c27.593,59.133) 27.593,60.133 25.393,60.133 25.393,76.083 28.893,76.083 ccw(c28.893,76.583) 29.393,76.583 ; 29.393,76.583 ccw(c29.393,76.583) 29.393,76.583